# Altium PCB PCB1.PcbDoc (part 1 of 2) (continued)
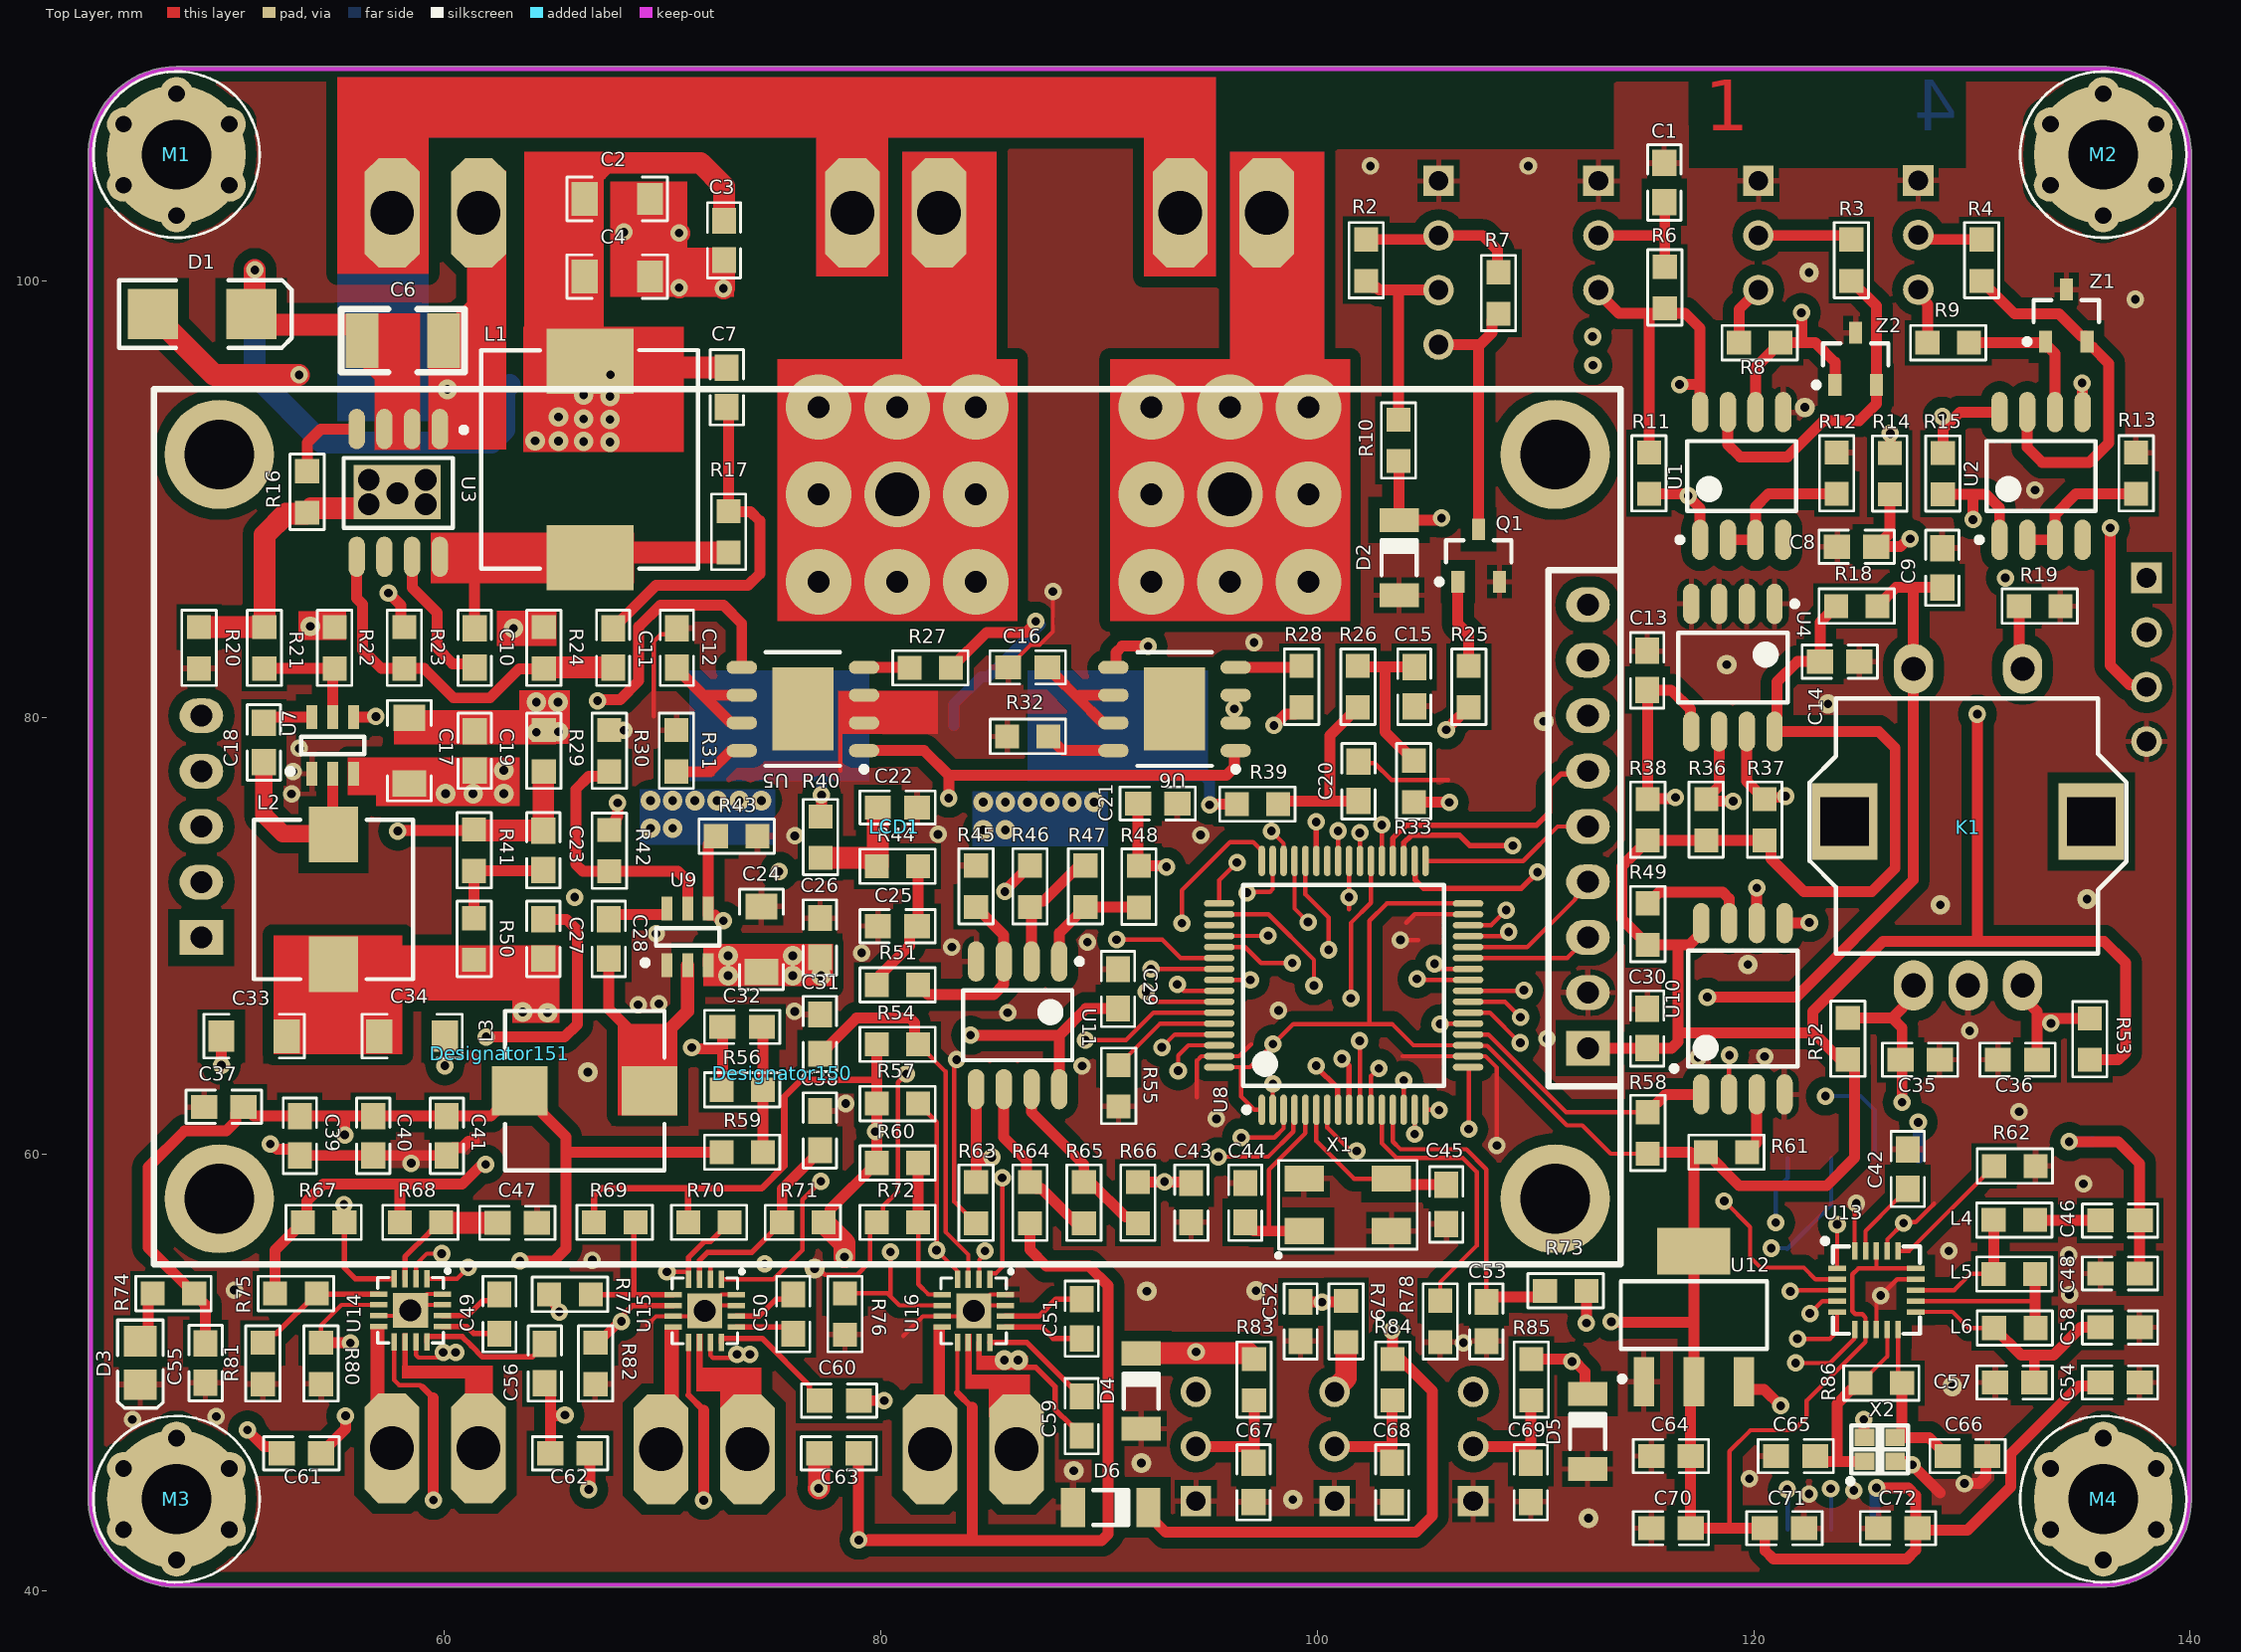
[diagram p0: Top Layer view]
## Footprints (in the part's own frame and the unit in brackets; to place one, negate y for a bottom-side part, rotate by r counter-clockwise, add the part's x,y. Pads: shape width x height; smd on the part's side, far side on the other; paste and mask are expansions set on the pad) (continued)
MOUNTING [mil]
  round 250 hole 125.98: 1(0,0)
  round 60 hole 30: 2(-95.26,-55) 3(-95.26,55) 4(0,110) 5(95.26,55) 6(95.26,-55) 7(0,-110)
  silkscreen extent -150,-150 150,150
MXHV9910BE [mm]
  rect 2.8x3.81 smd: 0(0,0)
  oval 1.4x0.6 smd: 1(-2.8,1.905) 2(-2.8,0.635) 3(-2.8,-0.635) 4(-2.8,-1.905) 5(2.8,-1.905) 6(2.8,-0.635) 7(2.8,0.635) 8(2.8,1.905)
  silkscreen extent -2.93,-2.6 1.7,2.88, body extent -2.1,-2.6 2.1,2.6, height 1.43
NRF24L01 [mm]
  rect 0.8x0.25 smd: 1(-1.65,1.15) 2(-1.65,0.65) 3(-1.65,0.15) 4(-1.65,-0.35) 5(-1.65,-0.85) 11(1.95,-0.85) 12(1.95,-0.35) 13(1.95,0.15) 14(1.95,0.65) 15(1.95,1.15)
  rect 0.25x0.8 smd: 6(-0.85,-1.65) 7(-0.35,-1.65) 8(0.15,-1.65) 9(0.65,-1.65) 10(1.15,-1.65) 16(1.15,1.95) 17(0.65,1.95) 18(0.15,1.95) 19(-0.35,1.95) 20(-0.85,1.95)
  silkscreen extent -2.31,-1.85 2.15,2.51, body extent -1.87,-1.87 2.17,2.17, height 0.72
"Power Connector Straght" [mil]
  oct 198x99 hole 78.74: 1(-16.61,77.36) 2(-16.61,-78.64)
  silkscreen extent -213,-172 134,171, body extent -213,-181 128,175, height 394
RES0603 [mm]
  rect 1.1x1.1 smd: 1(0.833,0.145) 2(-1.067,0.145)
  silkscreen extent -1.84,-0.64 1.61,0.93, body extent -0.97,-0.33 0.73,0.62, height 0.6
RES2512 [mm]
  rect 1.5x3.35 smd: 1(-3.075,0) 2(3.075,0)
  silkscreen extent -4.06,-1.95 4.06,1.95, body extent -3.3,-1.67 3.3,1.67, height 0.65
"Rotary Digital Encoder" [mm]
  oval 1.8x2.3 hole 1.1: 1(-2.6,-7.45) 2(-0.1,-7.45) 3(2.4,-7.45) 4(-2.6,7.05) 5(2.4,7.05)
  rect 3x3.5 hole 2.2 square: 6(-5.75,0.05) 6(5.55,0.05)
  silkscreen extent -7.35,-6 7.15,5.7, body extent -6.65,-7.7 6.45,7.3, height 28
SS36 [mm]
  rect 2.3x2.3 smd: 1(-2.214,0.07) 2(2.286,0.07)
  silkscreen extent -3.76,-1.48 4.14,1.62, body extent -2.5,-0.82 2.58,0.96, height 2
STM32F103RET6 [mm] "TSQFP, 64-Leads, Body 10.00x10.00mm, Pitch 0.50mm, IPC Medium Density"
  oval 1.4x0.3 smd: 1(-5.7,3.75) 2(-5.7,3.25) 3(-5.7,2.75) 4(-5.7,2.25) 5(-5.7,1.75) 6(-5.7,1.25) 7(-5.7,0.75) 8(-5.7,0.25) 9(-5.7,-0.25) 10(-5.7,-0.75) 11(-5.7,-1.25) 12(-5.7,-1.75) 13(-5.7,-2.25) 14(-5.7,-2.75) 15(-5.7,-3.25) 16(-5.7,-3.75) 33(5.7,-3.75) 34(5.7,-3.25) 35(5.7,-2.75) 36(5.7,-2.25) 37(5.7,-1.75) 38(5.7,-1.25) 39(5.7,-0.75) 40(5.7,-0.25) 41(5.7,0.25) 42(5.7,0.75) 43(5.7,1.25) 44(5.7,1.75) 45(5.7,2.25) 46(5.7,2.75) 47(5.7,3.25) 48(5.7,3.75)
  oval 0.3x1.4 smd: 17(-3.75,-5.7) 18(-3.25,-5.7) 19(-2.75,-5.7) 20(-2.25,-5.7) 21(-1.75,-5.7) 22(-1.25,-5.7) 23(-0.75,-5.7) 24(-0.25,-5.7) 25(0.25,-5.7) 26(0.75,-5.7) 27(1.25,-5.7) 28(1.75,-5.7) 29(2.25,-5.7) 30(2.75,-5.7) 31(3.25,-5.7) 32(3.75,-5.7) 49(3.75,5.7) 50(3.25,5.7) 51(2.75,5.7) 52(2.25,5.7) 53(1.75,5.7) 54(1.25,5.7) 55(0.75,5.7) 56(0.25,5.7) 57(-0.25,5.7) 58(-0.75,5.7) 59(-1.25,5.7) 60(-1.75,5.7) 61(-2.25,5.7) 62(-2.75,5.7) 63(-3.25,5.7) 64(-3.75,5.7)
  silkscreen extent -5.82,-4.6 4.6,4.6, body extent -5,-5 5,5, height 1.6
SWD [mm]
  rect 1.4x1.4 hole 0.9: 1(0.05,3.6)
  round 1.4 hole 0.9: 2(0.05,1.1) 3(0.05,-1.4) 4(0.05,-3.9)
  silkscreen extent -0.9,-4.9 1,4.5
"TFT LCD 2.2inch  QVGA" [mm]
  rect 1.6x2 hole 1: 1(-10.2,-32.4) 10(-5.13,31.12)
  oval 1.6x2 hole 1: 2(-7.661,-32.4) 3(-5.123,-32.4) 4(-2.584,-32.4) 5(-0.045,-32.4) 6(2.494,-32.4) 7(5.032,-32.4) 8(7.571,-32.4) 9(10.11,-32.4) 11(-2.591,31.12) 12(-0.053,31.12) 13(2.486,31.12) 14(5.025,31.12)
  round 5 hole 3.2: 15(-17.1,30.3) 15(-17.1,-30.9) 15(17,30.3) 15(17,-30.9)
  silkscreen extent -20.1,-33.9 20,33.3, body extent -20.1,-33.95 20,33.3, height 15.2
TPS54202DDCR [mm]
  rect 1.1x0.5 smd: 1(-1.065,0.902) 2(-1.065,-0.048) 3(-1.065,-0.998) 4(1.535,-0.998) 5(1.535,-0.048) 6(1.535,0.902)
  silkscreen extent -1.08,-1.5 0.64,2.03, body extent -1.14,-1.5 1.61,1.4, height 1
W25QXX [mm]
  oval 1.85x0.75 smd: 1(-3.938,1.904) 2(-3.938,0.634) 3(-3.938,-0.636) 4(-3.938,-1.906) 5(3.912,-1.906) 6(3.912,-0.636) 7(3.912,0.634) 8(3.912,1.904)
  silkscreen extent -2.87,-2.5 2.65,3.27, body extent -3.26,-2.5 3.24,2.5, height 1.35
ZENER [mm]
  rect 1.8x1.1 smd: 1(-0.254,-1.852) 2(-0.254,1.598)
  silkscreen extent -1.05,-0.93 0.62,0.67, body extent -1.1,-1.98 0.6,1.73, height 1.69

## Part data
C P PWR T W Z: library part "Power Connector Straght"
C1 C3 C7 C8 C9 C10 C11 C12 C13 C14 C15 C16 C18 C19 C20 C21 C22 C23 C25 C26 C27 C28 C29 C30 C31 C32 C35 C36 C37 C38 C39 C40 C41 C42 C43 C44 C45 C46 C47 C48 C49 C50 C51 C52 C53 C54 C55 C56 C57 C58 C59 C60 C61 C62 C63 C64 C65 C66 C67 C68 C69 C70 C71 C72: library part CAP0603
C2 C4 C17 C24 C33 C34: library part CAP1206
C6: library part CAP1210
D3: library part LED0805
DMX FB_P FB_T FB_Z JOYSTICK TEMPERATURE: "Header, 3-Pin", LatestRevisionDate=17-Jul-2002, LatestRevisionNote="Re-released for DXP Platform.", Publisher="Altium Limited"
FAN: "Header, 4-Pin"
L1 L4 L5 L6: library part "INDUCTOR  10*10"
L2 L3: library part "INDUCTOR 7*7"
LCD1: library part "TFT LCD 2.2inch  QVGA"
M1 M2 M3 M4: library part MOUNTING
Q1: library part BC817
R2 R3 R4 R6 R7 R8 R9 R10 R11 R12 R13 R14 R15 R16 R17 R18 R19 R20 R21 R22 R23 R24 R25 R26 R27 R28 R29 R30 R31 R32 R33 R36 R37 R38 R39 R40 R41 R42 R43 R44 R45 R46 R47 R48 R49 R50 R51 R52 R53 R54 R55 R56 R57 R58 R59 R60 R61 R62 R63 R64 R65 R66 R67 R68 R69 R70 R71 R72 R73 R74 R75 R76 R77 R78 R79 R80 R81 R82 R83 R84 R85 R86: library part RES0603
R87 R88 R89: library part RES2512
U8: "ARM Cortex-M3 32-bit MCU, 512 KB Flash, 64 KB Internal RAM, 51 I/Os, 64-pin LQFP, -40 to 85 degC, Tray", I/Os (High Current)=51, Operating Frequency(F) (Processor speed) (MHz)=72, Supplier Part Number 1=497-6444-ND, Supply Voltage(Vcc) min (V)=2, A/D Converter="3x12-bit (16 Channel)", ComponentLink1Description="Manufacturer URL", ComponentLink1URL=http://www.st.com/web/en/home.html, ComponentLink2Description=Datasheet, ComponentLink2URL=http://www.st.com/st-web-ui/static/active/en/resource/technical/document/datasheet/CD00191185.pdf, ComponentLink3Description="Package Specification", ComponentLink3URL=http://www.st.com/st-web-ui/static/active/en/resource/technical/document/datasheet/DM00037051.pdf, Core="ARM Cortex-M3", D/A Converter="2x12-bit (2 Channel)", DatasheetVersion="Rev. 8", FLASH Size (Prog) (kB)=512, Internal RAM Size (kB)=64, Mounting Technology="Surface Mount", PackageDescription="64-Pin Low Profile Quad Flat Package, 10 x 10 mm Body, 0.5 mm Pitch", PackageReference=LQFP64, PackageVersion="Rev. 4, 06/2013", Packing=Tray, PartNumber=STM32F103RET6, Supplier 1=Digi-Key, Supplier 2=Farnell, Supplier 3=Newark, Supplier 4=Newark, Supplier 5=Mouser, Supplier Part Number 2=1624138, Supplier Part Number 3=01P4101, Supplier Part Number 4=57P1231, Supplier Part Number 5=511-STM32F103RET6
U10: library part W25QXX
U11: "Single Supply Dual Operational Amplifier"
U12: library part AMS1117
U17: library part LORA
X1 X2: library part CRYSTAL_SMD4PIN

## Via types
v1: diameter 0.8, hole 0.4, Top Layer to Bottom Layer, tented both sides, 207 vias
v2: diameter 0.9, hole 0.4, Top Layer to Bottom Layer, tented both sides, 63 vias
v3: diameter 3, hole 1, Top Layer to Bottom Layer, tented both sides, 16 vias
v4: diameter 1.4, hole 1, Top Layer to Bottom Layer, tented both sides, 8 vias
v5: diameter 3, hole 2, Top Layer to Bottom Layer, tented both sides, 2 vias

## Nets (pads, with @x,y where several pads share a name; then routed paths per layer and width w, separated by ;. In a path a pad name is that pad's centre, name@x,y a point inside that pad or via, vN(x,y) a via of type N, cw(c..) or ccw(c..) an arc to the next point about the centre after c; other vN are vias at no path point)
3.3V: C14.2 C30.2 C58.2 C64.2 C70.2 C71.1 C72.1 FB_P.3 FB_T.3 FB_Z.3 LCD1.1 prog.1 R6.2 R11.2 R15.2 R18.2 R36.2 R37.2 R38.2 R49.2 R52.2 R53.1 R54.2 R57.2 R58.2 R60.2 R61.2 R67.2 R68.2 R69.2 R70.2 R71.2 R73.1 R75.2 R79.2 TEMPERATURE.3 U1.8 U2.8 U4.8 U8.1 U8.19 U8.32 U8.48 U8.64 U10.8 U12.2 U12.4 U13.7 U13.15 U13.18 U17.3 | length 391
  Top Layer w0.2: v1(93.81,70.58) 93.81,72.09 96.02,74.3 97.07,74.3 97.367,74.003 97.423,74.003 97.469,73.957 U8.48@97.469,73.434 ; U8.64@95.519,63.984 96.52,63.984 ; U8.1@97.469,62.034 97.126,62.034 96.52,62.64 96.52,63.984 ; U8.32@106.919,71.484 103.194,71.484 102.4,70.69 102.4,65.96 ; R58.2@115.151,60.02 113.45,60.02 112.15,61.32 111.444,61.32 107.799,64.965 106.938,64.965 U8.19@106.919,64.984 104.416,64.984 103.44,65.96 102.4,65.96 ; 118.9,42.862 118.9,46.39 119.86,47.35 121.83,47.35 122.43,47.95 122.43,48.7 125.126,51.396 U13.7@125.126,51.972 125.126,52.518 124.972,52.672 124.658,52.672 124.526,52.804 124.526,54.496 124.802,54.772 125.65,54.772 ; U13.18@125.626,55.572 125.626,54.796 125.65,54.772 ; U13.15@127.426,54.772 125.65,54.772 ; 96.52,63.984 96.934,63.984 98.91,65.96 102.4,65.96
  Top Layer w0.3: R69.2@66.878,56.878 66.878,58.098 67.22,58.44 71.14,58.44 ; R70.2@71.196,56.878 71.196,58.384 71.14,58.44 ; 79.832,63.41 76.38,63.41 75.595,62.625 75.595,59.469 74.566,58.44 71.14,58.44
  Top Layer w0.5: R75.2@52.273,53.612 52.273,55.608 R67.2@53.543,56.878 53.721,57.056 53.721,57.861 54.48,58.62 58.01,58.62 ; R68.2@57.979,56.878 57.979,58.589 58.01,58.62 ; v1(61.91,59.53) 61.75,59.53 60.84,58.62 58.01,58.62 ; R71.2@77.394,56.878 77.694,57.178 77.694,57.459 R60.2@79.832,59.596 R57.2@79.832,62.315 79.832,63.41 R54.2@79.832,65.033 ; R73.1@112.339,53.739 v1(112.34,52.26) v1(112.34,52.26) ; LCD1.1@112.41,64.857 112.413,64.854 C30.2@115.126,64.854 116.247,64.854 116.54,65.147 116.54,65.56 ; TEMPERATURE.3@112.896,99.588 112.896,99.448 113.817,98.527 115.316,98.527 ; v1(113.48,52.32) 113.5,52.3 117.264,52.3 ; R58.2@115.151,60.02 115.22,60.089 117.112,60.089 117.264,59.937 U12.4@117.264,55.552 117.264,52.3 ; R11.2@115.207,92.146 115.207,98.418 115.316,98.527 ; v1(116.61,95.26) 117.539,95.26 117.549,95.27 ; U1.8@117.549,93.994 117.549,95.27 ; U10.8@117.603,70.587 117.603,70.132 117.058,69.587 116.54,69.587 ; R61.2@117.805,60.089 119.344,58.55 123.352,58.55 124.63,59.828 124.63,64.023 R52.2@124.315,64.338 123.962,64.338 122.707,65.593 122.707,66.539 125.918,69.75 130.26,69.75 ; 122.707,65.56 116.54,65.56 ; R18.2@123.774,85.108 123.045,84.379 C14.2@123.045,82.564 121.996,82.564 121.072,81.641 121.072,79.931 120.957,79.816 U4.8@120.957,79.361 125.729,79.361 126.481,78.609 126.481,73.101 125.41,72.03 122.3,72.03 120.805,73.525 120.805,74.071 R37.2@120.505,74.371 R38.2@115.151,74.371 113.96,73.18 113.96,70.779 R49.2@115.151,69.587 116.54,69.587 ; v1(125.63,44.71) 127.08,44.71 127.417,44.373 C72.1@127.417,42.767 ; v1(128.644,93.8) v1@128.669,93.775 ; R15.2@128.669,92.126 128.669,93.219 129.444,93.994 U2.8@131.265,93.994 ; v1(130.25,80.16) 130.26,80.15 130.26,69.75 ; R53.1@135.4,64.318 136.708,64.318 137.04,64.65 137.04,68.76 136.05,69.75 130.26,69.75 ; C58.2@135.886,49.537 135.836,49.537 C58.2@135.679,49.38 ; 115.316,98.527 116.865,98.527 117.549,97.843 117.549,95.27 ; 116.54,65.56 116.54,69.587 ; 117.264,52.3 U12.2@117.264,49.575 117.112,49.423 C64.2@117.112,46.165 C70.2@117.112,42.862 118.9,42.862 C71.1@120.512,42.862 120.512,41.848 120.907,41.453 127.015,41.453 127.417,41.855 C72.1@127.417,42.767 ; C72.1@127.417,42.767 129.787,42.767 131.78,44.76 131.78,46.27 134.89,49.38 C58.2@135.679,49.38 ; C58.2@135.679,49.38 135.993,49.38 136.136,49.237 135.536,49.237 C58.2@135.679,49.38
  Top Layer w1: R71.2@77.394,56.878 78.35,55.922 v1(78.35,55.29) ; FB_T.3@100.803,49.109 100.803,49.217 101.328,49.742 R79.2@101.328,51.381
  2 Layer w0.5: v1(61.91,59.53) 74.67,59.53 76.17,61.03 v1(79.77,61.03) ; v1(93.81,70.58) 95.24,69.15 95.24,67.78 v1(97.98,65.04) ; v1(116.61,95.26) 127.57,95.26 131.27,91.56 131.27,86.88 130.81,86.42 ; v1(130.25,80.16) 130.25,85.86 130.81,86.42 ; v1(131.53,86.4) 131.51,86.42 130.81,86.42
  2 Layer w1: v1(78.35,55.29) 78.35,55.11 79.04,54.42 80.916,54.42 80.926,54.43 86.27,54.43 91.591,49.109 FB_P.3@94.453,49.109 FB_T.3@100.803,49.109 FB_Z.3@107.153,49.109
  3 Layer w0.5: v1(131.53,86.4) 131.534,86.404 prog.1@137.999,86.404
  3 Layer w1: FB_Z.3@107.153,49.109 110.354,52.31 v1@113.48,52.31
  Bottom Layer w0.5: U17.3@125.555,42.808 125.555,44.635 v1(125.63,44.71)
5V: C29.1 C37.2 C39.2 C40.2 C41.2 C55.2 L3.2 R59.2 R74.2 U11.8 U12.3 | length 152.1
  Top Layer w0.5: C55.2@49.085,51.326 49.085,53.092 R74.2@48.565,53.612 46.46,55.717 46.46,59.4 48.13,61.07 50.03,61.07 50.468,61.508 50.468,61.867 50.768,62.167 C37.2@50.818,62.167 50.868,62.167 51.295,61.74 C39.2@53.403,61.74 55.45,61.74 ; v1(55.46,60.88) 55.45,60.89 55.45,61.74 ; L3.2@62.457,62.033 62.164,61.74 C41.2@60.134,61.74 C40.2@56.768,61.74 55.45,61.74 ; L3.2@62.457,62.034 63.332,62.909 L3.2@63.482,62.909 63.632,62.909 64.507,62.034 64.507,61.884 65.59,60.801 65.59,55.66 65.04,55.11 v1(63.49,55.11) ; 65.63,60.089 R59.2@72.72,60.089 ; v1(84.13,65.45) 88.191,65.45 ; U11.8@88.191,62.978 88.191,65.45 ; C29.1@90.886,66.671 89.412,66.671 88.191,65.45 ; U12.3@119.554,49.575 119.554,49.449 119.779,49.224 120.486,49.224 v1(121.24,48.47)
  2 Layer w0.5: v1(55.46,60.88) 72.26,60.88 76.83,65.45 v1(84.13,65.45) ; v1(63.49,55.11) 63.49,52.39 64.61,51.27 72.56,51.27 72.97,51.68 74.372,51.68 74.452,51.6 87.28,51.6 91.02,47.86 110.5,47.86 111.11,48.47 v1(121.24,48.47)
12V: C27.2 C33.2 C34.2 C56.2 C60.2 C61.2 C62.2 FAN.2 L2.2 R2.2 R7.1 R50.2 U14.11 U15.11 | length 113
  Top Layer w0.2: U14.11@58.723,51.394 58.723,50.797 58.84,50.68 v1@59.853,50.68 ; U15.11@72.206,51.37 72.206,50.787 72.323,50.67 73.271,50.67 v1(73.431,50.83) v1(74.02,50.83)
  Top Layer w0.5: C33.2@52.808,65.405 52.895,65.492 52.895,66.637 53.922,67.664 54.072,67.664 54.947,68.539 L2.2@54.947,68.689 55.168,68.91 57.139,68.91 ; C61.2@54.374,46.291 54.424,46.291 54.724,46.591 54.724,46.641 55.5,47.417 v1(55.5,48.01) ; C34.2@57.047,65.405 57.047,68.818 57.139,68.91 ; C27.2@64.558,68.96 61.437,68.96 R50.2@61.387,68.91 57.139,68.91 ; C56.2@64.622,49.512 64.879,49.255 64.879,48.02 ; C62.2@64.879,46.291 64.879,48.02 ; v1(65.55,48.05) 65.52,48.02 64.879,48.02 ; C60.2@79.012,48.705 79.015,48.707 80.168,48.707 v1(80.17,48.71) ; R2.2@102.253,101.905 105.145,101.905 105.328,102.088 FAN.2@105.572,102.088 107.589,102.088 108.269,101.408 108.269,100.445 R7.1@108.313,100.401
  2 Layer w0.254: v1(73.431,50.83) v1@73.441,50.84
  2 Layer w0.5: v1(75.36,72.95) 90.13,72.95 90.62,73.44 94.731,77.551 97.971,77.551 102.18,81.76 102.18,98.696 FAN.2@105.572,102.088
  3 Layer w0.254: 56.64,49.86 56.64,50.54 56.67,50.57 60.74,50.57 ; v1(65.55,48.05) 65.55,50.34 ; 79.48,50.12 79.673,49.927 79.673,49.737 80.17,49.24 v1(80.17,48.71)
  3 Layer w0.5: v1(55.5,48.01) 55.5,48.72 56.64,49.86 ; v2@64.79,66.77 70.97,72.95 v1(75.36,72.95)
  other v1: 59.97,50.919 60.54,50.919
  other v2: 64.75,66.48 63.61,66.51
24V: C2.2 C3.2 C4.2 C7.2 C17.2 C19.2 C24.2 C26.2 C59.2 C63.2 L1.2 R22.2 R24.2 R42.2 U7.3 U9.3 U16.11 | length 49.3
  Top Layer w0.25: U16.11@84.525,51.37 84.525,50.585 84.87,50.24 86.31,50.24 87.11,50.24 88,49.35 88,48.317 88.743,47.574 88.793,47.574 89.218,47.149 C59.2@89.218,47.099
  Top Layer w0.5: U7.3@55.862,77.421 U7.3@56.067,77.216 ; R42.2@67.582,74.854 67.882,75.154 67.882,75.382 67.96,75.46 v1(67.96,76.09) ; U9.3@72.119,68.648 72.119,68.948 72.419,68.948 72.481,69.01 75.981,69.01 C26.2@77.281,69.01
  Top Layer w0.8: U7.3@56.067,77.216 C17.2@58.015,77.216
  Top Layer w1: C17.2@58.42,76.986 58.595,76.986 59.188,77.579 C19.2@61.412,77.579 ; C2.2@66.72,104.034 66.545,104.034 66.445,103.934 C2.2@66.445,103.759 C4.2@66.445,100.203 66.445,96.581 L1.2@66.702,96.324 66.995,96.03 C7.2@72.961,96.03 ; 67.065,105.069 67.41,105.414 71.755,105.414 72.834,104.335 C3.2@72.834,102.761 ; v1(77.17,44.69) 77.198,44.718 C63.2@77.198,46.291
  3 Layer w0.254: v1@67.958,76.09 v1(67.96,76.09)
  3 Layer w0.5: v2(62.75,76.51) 67.538,76.51 v1@67.958,76.09
  other v2: 85.68,50.56 86.31,50.56 73.021,68.18 75.981,68.18 77.281,68.18 73.021,69.09 75.981,69.09 60.08,76.51 61.34,76.51 62.75,77.579 63.19,84.09 53.88,84.18 67.61,92.62 65.25,92.67 66.4,92.65 64.18,92.68 67.61,93.66 66.4,93.68 65.25,93.77 67.61,94.72 66.4,94.79 67.63,95.71
90V: C.2 PWR.2 R87.1 U5.1 U6.1 W.2 | length 54.1
  Top Layer w0.5: U5.1@79.248,78.486 82.004,78.486 83.13,77.36 ; v1(83.13,76.31) 83.13,77.36 ; U6.1@96.272,78.486 96.265,78.486 96.219,78.44 96.219,77.729 95.85,77.36 83.13,77.36
  2 Layer w1: v1(83.13,76.31) 89.47,82.65 89.47,107.12 88.27,107.12
ADC_C: C21.2 R48.2 U8.9 | length 18.7
  Top Layer w0.25: v1(101.14,64.37) 101.469,64.041 U8.9@101.469,62.034
  Top Layer w0.5: C21.2@91.803,76.063 91.803,73.239 R48.2@91.839,73.203 91.84,73.202 93.058,73.202 v1(93.1,73.16)
  2 Layer w0.254: v1(93.1,73.16) 93.1,73.12 101.14,65.08 v1(101.14,64.37)
ADC_W: C43.2 R66.2 U8.8 | length 15
  Top Layer w0.25: v1(99.96,64.05) 99.96,64.01 100.944,63.026 100.944,62.059 U8.8@100.969,62.034
  Top Layer w0.5: R66.2@91.794,58.725 94.19,58.725 C43.2@94.24,58.675
  2 Layer w0.4: v1(93.01,58.74) 93.01,60.4 96.66,64.05 v1(99.96,64.05)
CRYSTAL1: C44.2 U8.5 X1.1 | length 9.1
  Top Layer w0.2: 97.79,56.477 97.79,59.28 99.469,60.959 U8.5@99.469,62.034
  Top Layer w0.5: C44.2@96.711,56.875 96.711,56.825 97.011,56.525 97.061,56.525 97.109,56.477 97.79,56.477 X1.1@99.412,56.477
CRYSTAL2: C45.2 U8.6 X1.3 | length 8.2
  Top Layer w0.2: U8.6@99.969,62.034 99.969,60.601 101.693,58.877 X1.3@103.412,58.877
  Top Layer w0.5: X1.3@103.412,58.877 103.693,58.596 C45.2@105.918,58.596
DMX_FEEDBACK: C8.2 R14.1 U8.26 | length 39.1
  Top Layer w0.2: v1(105.38,68.72) 105.616,68.484 U8.26@106.919,68.484
  Top Layer w0.5: C8.2@125.621,87.826 C8.2@125.671,87.826 ; R14.1@126.238,90.226 126.238,88.443 125.971,88.176 125.971,88.126 C8.2@125.671,87.826 ; v1(127.17,88.19) 127.091,88.19 126.727,87.826 C8.2@125.671,87.826
  3 Layer w0.254: v1(105.38,68.72) 105.38,72.25 108.53,75.4 108.53,77.45 109.8,78.72 117.7,78.72 v1(127.17,88.19)
DMX_RX: R11.1 U1.1 U8.52 | length 36.3
  Top Layer w0.2: U8.52@95.519,69.984 95.532,69.997 97.747,69.997 v1(97.76,70.01)
  Top Layer w0.5: R11.1@115.207,90.246 v1@116.891,90.246 ; v1@116.988,90.149 117.549,89.588 U1.1@117.549,88.144
  2 Layer w0.254: v1(97.76,70.01) v1@97.77,70.02
  2 Layer w0.5: v1@97.77,70.02 97.77,71.98 98.9,73.11 98.9,75.43 113.63,90.16 v1(117,90.16)
EEPROM_WP: R37.1 U4.7 U8.24 | length 28.3
  Top Layer w0.2: U8.24@106.919,67.484 109.454,67.484 v1(109.48,67.51)
  Top Layer w0.5: U4.7@119.687,79.361 119.687,77.089 R37.1@120.505,76.271 120.577,76.343 121.403,76.343 v1(121.46,76.4)
  2 Layer w0.254: v1(109.48,67.51) 110.76,66.23 119.05,66.23 121.46,68.64 v1(121.46,76.4)
FAN_CONTROL: R25.1 U8.39 | length 9.1
  Top Layer w0.2: v1(101.96,74.72) 101.96,74.708 101.969,74.699 U8.39@101.969,73.434 ; R25.1@106.494,80.014 106.502,80.014 R25.1@106.952,80.464
  Top Layer w0.5: v1(105.92,79.44) R25.1@106.494,80.014
  2 Layer w0.254: v1(101.96,74.72) v1@101.99,74.75
  2 Layer w0.5: v1@101.99,74.75 101.99,75.51 v1(105.92,79.44)
FAN_PWM: D2.2 R10.1 U8.41 | length 22.4
  Top Layer w0.2: v1(100.96,74.806) 100.969,74.796 U8.41@100.969,73.434
  Top Layer w0.5: R10.1@103.733,91.75 103.759,91.724 D2.2@103.759,89.048 105.527,89.048 105.619,89.14 v1(105.7,89.14)
  3 Layer w0.5: v1(100.96,74.806) 100.96,76.15 105.7,80.89 v1(105.7,89.14)
FLASH_CS: R58.1 U8.20 U10.1 | length 12.5
  Top Layer w0.2: U8.20@106.919,65.484 106.924,65.479 107.851,65.479 111.41,61.92 R58.1@115.151,61.92
  Top Layer w0.5: R58.1@115.151,61.92 115.968,62.737 U10.1@117.603,62.737
GND: ANT.1 ANT.2 C1.1 C8.1 C9.1 C12.1 C13.1 C14.1 C15.1 C16.1 C20.1 C21.1 C22.1 C24.1 C25.1 C26.1 C29.2 C30.1 C31.1 C35.1 C36.1 C37.1 C38.1 C39.1 C40.1 C41.1 C42.1 C43.1 C44.1 C45.1 C47.1 C48.1 C52.1 C53.1 C54.1 C55.1 C57.1 C58.1 C64.1 C65.1 C66.2 C67.1 C68.1 C69.1 C70.1 C71.2 C72.2 D2.1 D3.2 D4.1 D5.1 D6.1 DMX.1 FAN.1 FB_P.1 FB_T.1 FB_Z.1 JOYSTICK.1 K1.2 LCD1.2 prog.4 Q1.2 R12.1 R13.1 R19.1 R20.1 R30.1 R31.2 R32.2 R43.1 R45.1 R55.2 R62.1 R63.1 R72.1 R76.1 R77.1 R78.2 R80.1 R81.1 R82.1 TEMPERATURE.1 U1.5 U2.5 U4.1 U4.2 U4.3 U4.4 U5.2 U5.3 U6.2 U6.3 U7.1 U8.18 U8.31 U8.47 U8.63 U9.1 U10.4 U11.4 U12.1 U13.8 U13.14 U13.17 U13.20 U14.7 U14.15 U14.16 U15.7 U15.15 U15.16 U16.7 U16.15 U16.16 U17.2 U17.9 U17.16 X1.2 X1.4 X2.2 X2.4 Z1.3 Z2.3 | length 99.4
  Top Layer w0.2: U14.7@57.023,52.594 57.896,52.594 U14.7@58.07,52.42 ; U14.15@59.923,53.094 59.036,53.094 58.786,52.844 v4(58.473,52.844) 59.223,53.594 U14.16@59.923,53.594 ; 69.32,52.17 69.72,52.57 U15.7@70.506,52.57 71.706,52.57 v4(71.956,52.82) U15.7@71.963,52.82 ; 69.62,80.06 69.62,83.49 69.943,83.813 70.397,83.813 C12.1@70.676,84.092 ; U15.15@73.406,53.07 72.487,53.07 72.237,52.82 U15.7@71.963,52.82 ; U15.16@73.406,53.57 72.713,53.57 U15.7@71.963,52.82 ; v2(76.98,54.76) 77.159,54.76 77.447,54.472 78.937,54.472 79.52,55.055 79.52,56.566 R72.1@79.832,56.878 80.121,57.167 80.121,57.611 80.8,58.29 80.8,63.29 v1(81.19,63.68) v1@81.22,63.71 ; 78.16,80.06 78.44,80.34 ; 81.04,51.667 81.943,52.57 U16.7@82.825,52.57 84.025,52.57 v4(84.275,52.82) 84.275,52.835 85.01,53.57 U16.16@85.725,53.57 ; v1@83.4,64.55 83.382,64.532 83.382,57.823 R63.1@84.38,56.825 ; U16.7@84.79,53.07 U16.15@85.725,53.07 ; C16.1@85.848,82.303 85.898,82.303 86.348,82.753 86.348,82.803 86.875,83.33 87.288,83.33 87.9,83.942 v1(87.9,85.77) ; 94.5,62.6 94.5,64.285 94.699,64.484 U8.63@95.519,64.484 96.426,64.484 96.975,65.033 ; v1@96.82,72.008 97.838,72.008 97.969,72.139 U8.47@97.969,73.434 ; C20.1@101.897,77.982 101.96,77.92 102.63,77.92 103.41,77.14 106.01,77.14 ; v1(103.82,69.81) 104.633,69.81 ; 103.926,64.484 U8.18@106.919,64.484 107.715,64.484 108.24,63.959 v1(108.24,60.4) ; 104.09,70.6 104.474,70.984 U8.31@106.919,70.984 ; U13.20@124.626,55.572 124.626,57.616 v1@124.64,57.63 ; U13.8@125.626,51.972 125.626,53.164 125.82,53.358 v1(125.82,53.52) 126.572,54.272 U13.14@127.426,54.272 ; U13.17@126.126,55.572 126.126,56.101 v1(126.87,56.845) 126.907,56.882 127.422,56.882 128.27,57.73
  Top Layer w0.21: 78.16,77.57 78.16,80.06
  Top Layer w0.5: v1(52.05,60.46) 52.131,60.46 52.356,60.235 53.108,60.235 C39.1@53.403,59.94 C40.1@56.768,59.94 C41.1@60.134,59.94 60.134,59.99 60.434,60.29 60.834,60.29 61.134,60.59 61.4,60.59 ; R77.1@64.826,53.576 65.126,53.276 R77.1@65.126,53.064 ; v1(125.05,47.84) 125.065,47.825 125.065,47.035 X2.4@125.081,47.019 ; X2.2@126.481,45.919 127.112,45.919 v1(127.265,45.765) 128.55,44.481 ; v1(129.66,44.91) 130.345,44.91 130.638,45.203 130.638,46.102 C66.2@130.701,46.165 ; v1(135.05,95.33) 135.062,95.318 135.062,94.007 U2.5@135.075,93.994
  other v1: 122.54,44.43 124.59,44.59 119.81,45.13 45.73,47.84 49.573,47.98 106.709,51.359 65.29,52.77 134.47,53.57 50.401,53.772 66.8,55.137 134.44,55.382 128.94,55.57 124.7,57.74 135.11,58.645 58.505,59.58 95.39,61.62 132.16,61.94 78.41,62.32 89.24,64.04 83.492,64.33 117.46,64.428 120.504,64.47 110.54,65.288 129.9,65.648 85.83,66.475 76.07,66.54 98.24,66.58 68.9,66.84 69.85,66.89 79.14,69.22 83.27,69.49 89.48,69.71 69.72,70.1 65.99,71.77 96.79,71.978 76.079,74.58 94.67,74.62 82.64,74.65 53.02,76.5 53.1,77.53 53.38,78.59 68.25,79.42 96.21,80.4 97.11,83.44 132.89,90.42 137.49,99.16 102.45,105.27 109.68,105.27
  other v2: 112.44,43.32 98.89,44.17 88.85,45.5 91.95,45.853 129.1,49.36 92.21,53.72 97.21,53.74 66.6,63.76 119.74,68.69 128.551,71.42 135.28,71.68 110.38,79.83 123.41,80.63 118.77,82.43 122.35,94.21 122.54,100.39
JOYSTEIK: R15.1 U2.1 U8.43 | length 43.1
  Top Layer w0.25: v1(99.96,75.22) 99.969,75.211 U8.43@99.969,73.434
  Top Layer w0.5: R15.1@128.669,90.226 130.05,90.226 ; v1(130.05,89.07) 130.05,90.226 ; U2.1@131.265,88.144 131.265,89.605 130.644,90.226 130.05,90.226
  2 Layer w0.4: v1(99.96,75.22) 113.8,89.06 v1@130.05,89.06
LCD_CS: LCD1.3 U8.27 | length 5.9
  Top Layer w0.2: U8.27@106.919,68.984 111.46,68.984 LCD1.3@112.41,69.934
LCD_DC: LCD1.5 U8.33 | length 8.1
  Top Layer w0.2: U8.33@104.969,73.434 108.596,73.434 108.6,73.43 109.44,73.43 111.022,75.012 LCD1.5@112.41,75.012